# Altium PCB PCB_Napajanje_EUROBOT_2016_v2.0.PcbDoc
Units mil, origin at the board's own origin, x right, y up, seen from the top; angles counter-clockwise.
Board outline 5925 x 3950 mil, 2 copper layers (Top Layer, Bottom Layer); 79 components, 34 nets, 236 pads, 14 vias.
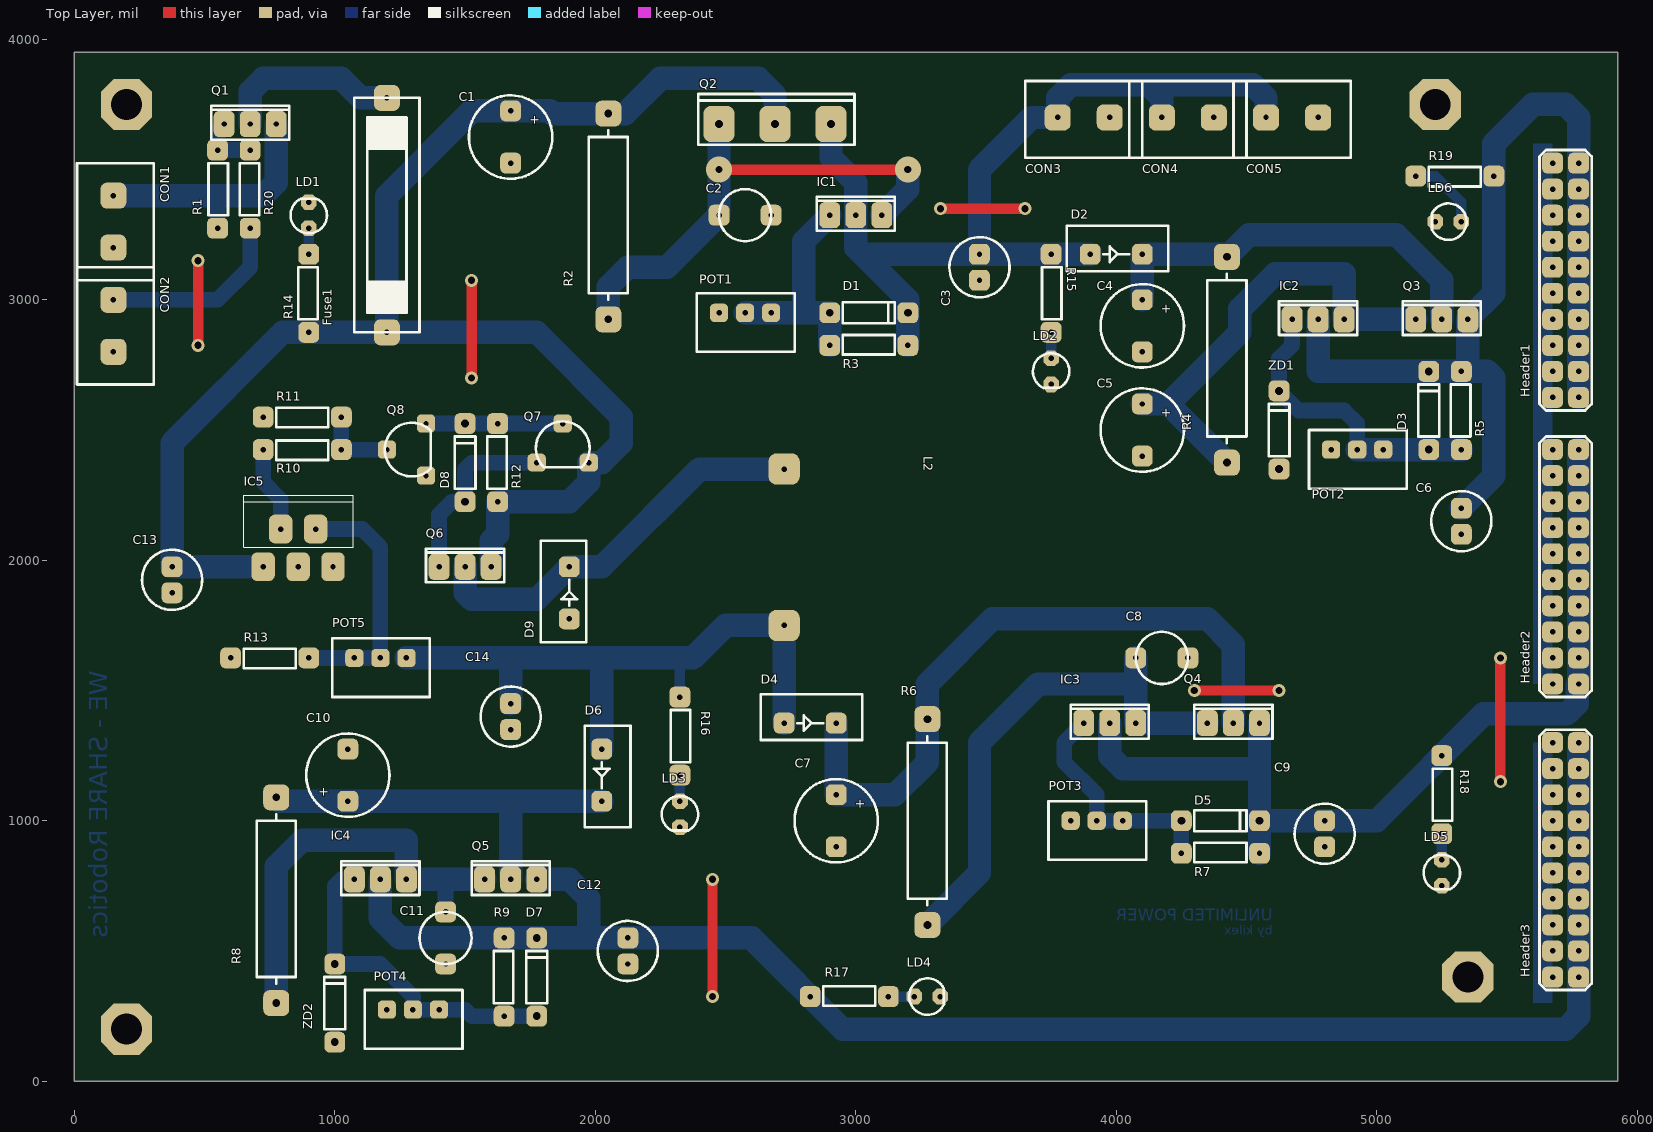
[diagram p0: Top Layer view]
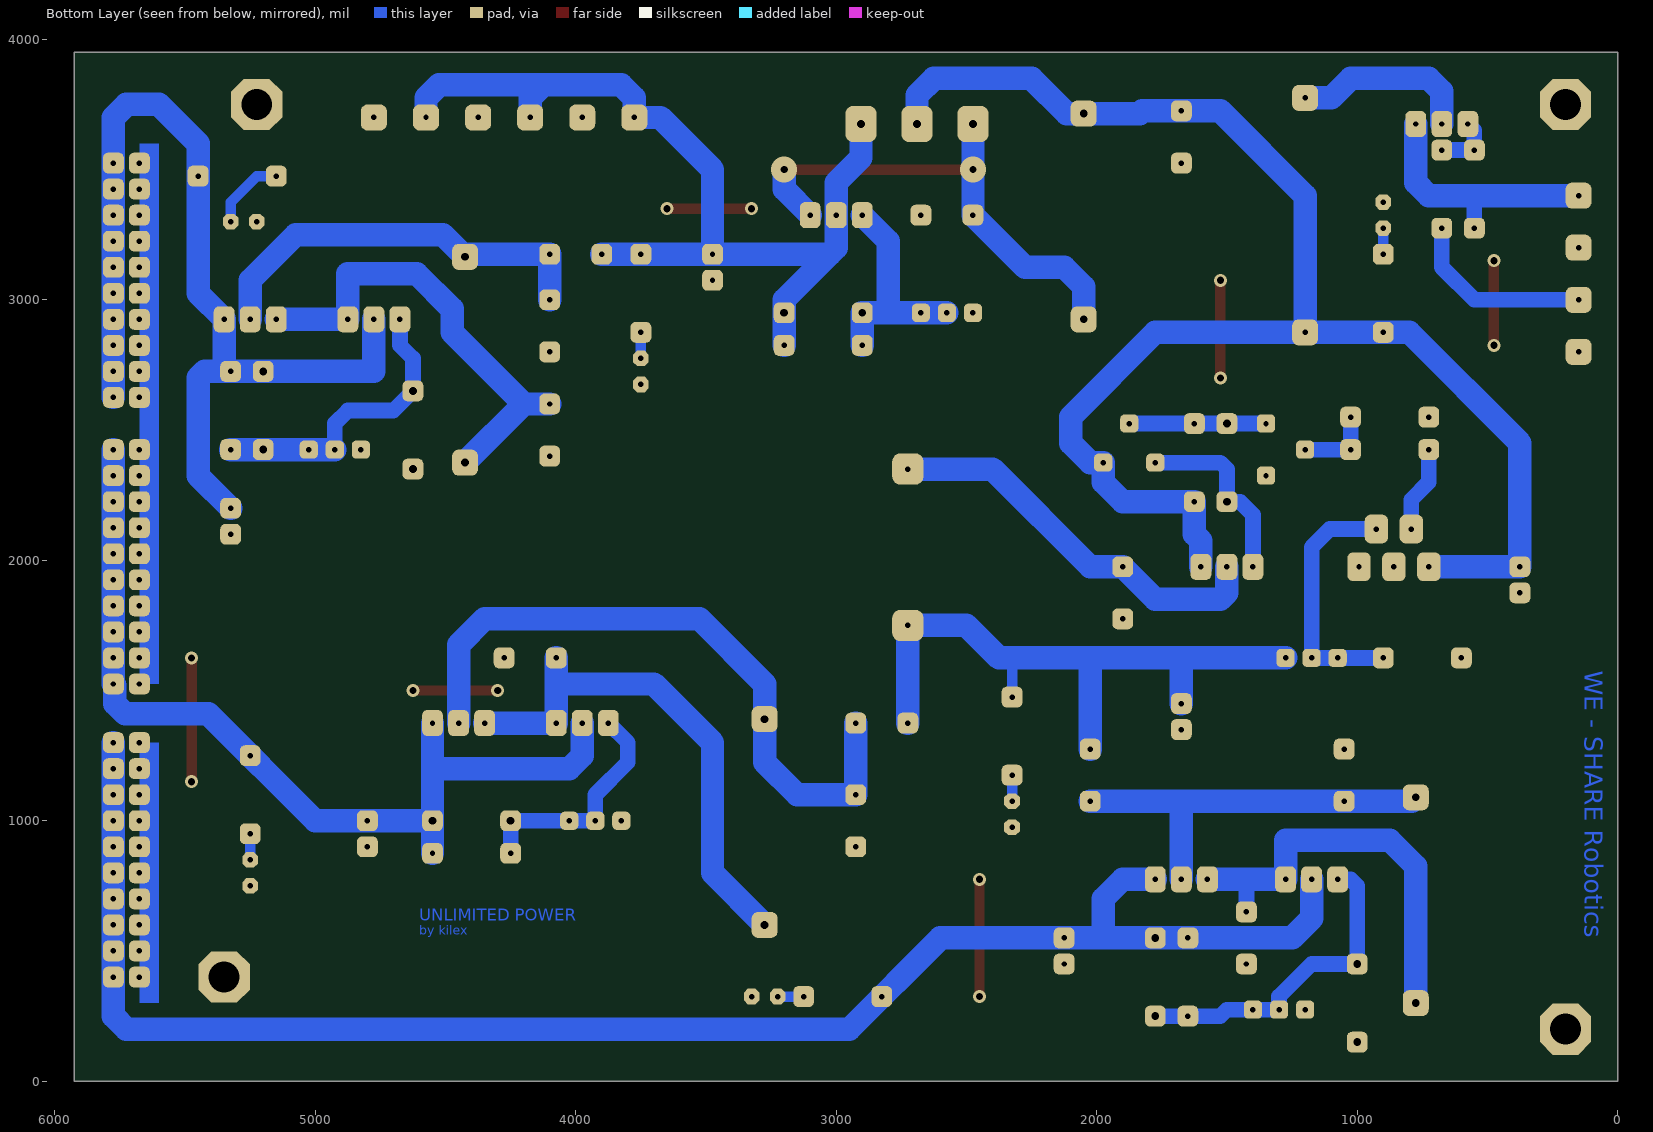
[diagram p1: Bottom Layer view, seen from below]
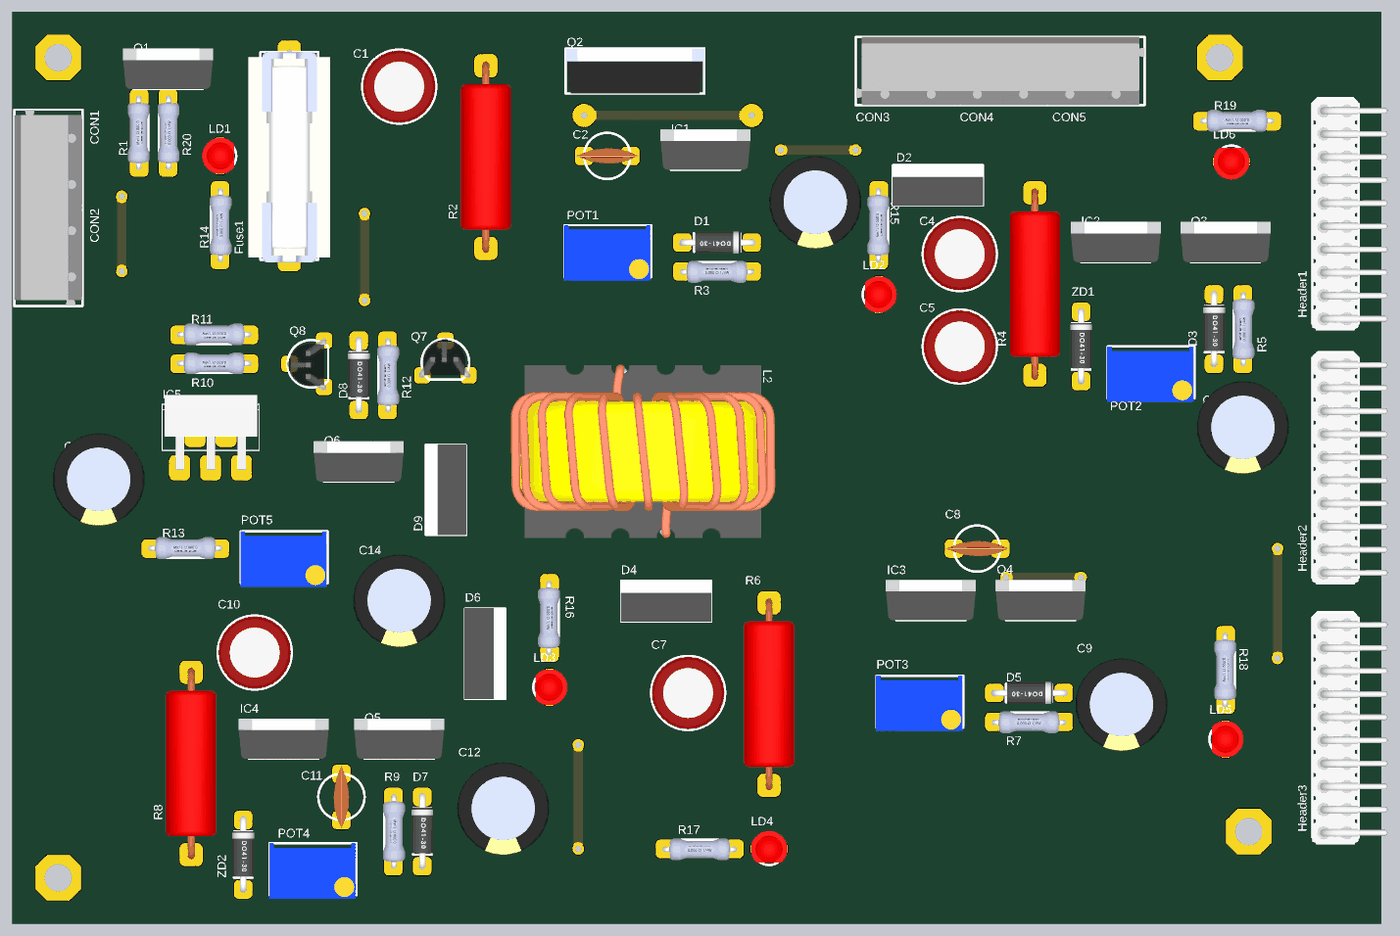
[diagram p2: 3D render of the assembled board from above, using the file's embedded part models]

## Layer stack, top to bottom
Top Solder: solder mask 0.4, Solder Resist, Dk 3.5
Top Layer: signal copper 1.4
Dielectric 1: dielectric 12.6, FR-4, Dk 4.8
Bottom Layer: signal copper 1.4
Bottom Solder: solder mask 0.4, Solder Resist, Dk 3.5

## Board outline
0,0 5925,0 5925,3950 0,3950

## Design rules (kind name [scope] priority, off if disabled: settings)
Clearance [All] p1: gap=20
PlaneClearance [All] p1: clearance=30
PlaneConnect [All] p1: planeconnectstyle=Relief reliefexpansion=30 reliefentries=4 reliefconductorwidth=30 reliefairgap=10
PolygonConnect [All] p1: connectstyle=Relief reliefconductorwidth=30 reliefentries=4 polygonreliefangle="90 Angle" airgapwidth=20
RoutingVias [All] p1: holewidth=28 width=50 viastyle="Through Hole" minholewidth=28 minwidth=50 maxholewidth=28 maxwidth=50
SolderMaskExpansion [All] p1: expansion=4
Width [All] p1: maxlimit=90 minlimit=40 preferedwidth=60 minimp=50.000000 maximp=50.000000 favimp=50.000000
28 further rules are at their usual default settings.

## Components (designator, comment, footprint, x,y, rotation, side; value= is the part's Value field where it differs from the comment)
C1 "1000uF" C2(elektrolit) 1675,3725 r270 top
C2 "1uF" C1(ceramic) 2475,3325 r0 top
C3 "10uF" C3 3475,3175 r270 top
C4 "1000uF" C2(elektrolit) 4100,3000 r270 top
C5 "1uF" C2(elektrolit) 4100,2600 r270 top
C6 "10uF" C3 5325,2200 r270 top
C7 "1000uF" C2(elektrolit) 2925,1100 r270 top
C8 "1uF" C1(ceramic) 4075,1625 r0 top
C9 "10uF" C3 4800,1000 r270 top
C10 "1000uF" C2(elektrolit) 1050,1075 r90 top
C11 "1uF" C1(ceramic) 1425,650 r270 top
C12 "10uF" C3 2125,550 r270 top
C13 "100uF" C3 375,1975 r270 top
C14 "100uF" C3 1675,1450 r270 top
CON1 "Klema" Klema 150,3200 r90 top
CON2 "Klema" Klema 150,2800 r90 top
CON3 "Klema" Klema 3775,3700 r0 top
CON4 "Klema" Klema 4175,3700 r0 top
CON5 "Klema" Klema 4575,3700 r0 top
D1 "1n4007" D1(300milsa) 2900,2950 r0 top
D2 "MBR1045" D2(TO220) 3900,3175 r0 top
D3 "1n4007" D1(300milsa) 5200,2425 r90 top
D4 "MBR1045" D2(TO220) 2725,1375 r0 top
D5 "1n4007" D1(300milsa) 4250,1000 r0 top
D6 "MBR1045" D2(TO220) 2025,1275 r270 top
D7 "1n4007" D1(300milsa) 1775,250 r90 top
D8 "1n4148" D1(300milsa) 1500,2225 r90 top
D9 "MBR1045" D2(TO220) 1900,1775 r90 top
Fuse1 "FUSE" Osigurac 1200,3775 r270 top
Header1 "Header2x10" HEADER2x10 5775,2625 r90 top
Header2 "Header2x10" HEADER2x10 5775,1525 r90 top
Header3 "Header2x10" HEADER2x10 5775,400 r90 top
IC1 "LM317" TO220 2900,3325 r0 top
IC2 "LM317" TO220 4675,2925 r0 top
IC3 "LM317" TO220 3875,1375 r0 top
IC4 "LM317" TO220 1075,775 r0 top
IC5 "LM2576" LM2576 725,1975 r0 top
L2 "100uH" Kalem 2725,2350 r270 top
LD1 "LED" LED(3mm) 900,3275 r90 top
LD2 "LED" LED(3mm) 3750,2775 r270 top
LD3 "LED" LED(3mm) 2325,1075 r270 top
LD4 "LED" LED(3mm) 3225,325 r0 top
LD5 "LED" LED(3mm) 5250,850 r270 top
LD6 "LED" LED(3mm) 5325,3300 r180 top
POT1 "5K" TRIM 2475,2950 r0 top
POT2 "5K" TRIM 4825,2425 r0 top
POT3 "1K" TRIM 3825,1000 r0 top
POT4 "5K" TRIM 1200,275 r0 top
POT5 "10K" TRIM 1075,1625 r0 top
Q1 "IRF4905" TO220 575,3675 r0 top
Q2 "BD250" TO218 2475,3675 r0 top
Q3 "BD912" TO220 5150,2925 r0 top
Q4 "BD912" TO220 4350,1375 r0 top
Q5 "BD912" TO220 1575,775 r0 top
Q6 "IRF4905" TO220 1400,1975 r0 top
Q7 "BC546" BC327 1775,2375 r0 top
Q8 "BC546" BC327 1350,2325 r90 top
R1 "10K" R1(300milsa) 550,3575 r270 top
R2 "8 2W" R1(2W) 2050,2925 r90 top
R3 "220" R1(300milsa) 2900,2825 r0 top
R4 "8 2W" R1(2W) 4425,2375 r90 top
R5 "220" R1(300milsa) 5325,2425 r90 top
R6 "8 2W" R1(2W) 3275,600 r90 top
R7 "220" R1(300milsa) 4250,875 r0 top
R8 "8 2W" R1(2W) 775,300 r90 top
R9 "220" R1(300milsa) 1650,250 r90 top
R10 "1K" R1(300milsa) 1025,2425 r180 top
R11 "1K" R1(300milsa) 1025,2550 r180 top
R12 "1K" R1(300milsa) 1625,2225 r90 top
R13 "1K2" R1(300milsa) 900,1625 r180 top
R14 "1K" R1(300milsa) 900,2875 r90 top
R15 "820" R1(300milsa) 3750,3175 r270 top
R16 "540" R1(300milsa) 2325,1475 r270 top
R17 "300" R1(300milsa) 2825,325 r0 top
R18 "220" R1(300milsa) 5250,1250 r270 top
R19 "470" R1(300milsa) 5450,3475 r180 top
R20 "1K" R1(300milsa) 675,3275 r90 top
ZD1 "1n5327 8.2V" D1(300milsa) 4625,2350 r90 top
ZD2 "1n5228 3v9" D1(300milsa) 1000,150 r90 top

## Footprints (in the part's own frame and the unit in brackets; to place one, negate y for a bottom-side part, rotate by r counter-clockwise, add the part's x,y. Pads: shape width x height; smd on the part's side, far side on the other; paste and mask are expansions set on the pad)
BC327 [mil]
  rrect50% 70x70 hole 21: 1(100,150) 2(200,0) 3(0,0)
  silkscreen extent -3,-18 203,158, body extent -15,-9 205,159, height 385
C1(ceramic) [mil]
  rrect50% 80x80 hole 21: 1(0,0) 2(200,0)
  silkscreen extent 0,-100 200,100, body extent -37,-33 238,33, height 258
C2(elektrolit) [mil]
  rrect50% 80x80 hole 21: 1(0,0) 2(200,0)
  silkscreen extent -60,-160 260,160, body extent -57,-157 257,157, height 522
C3 [mil]
  rrect50% 80x80 hole 21: 1(0,0) 2(100,0)
  silkscreen extent -65,-115 165,115, body extent -150,-199 250,199, height 800
D1(300milsa) [mil]
  rrect50% 80x80 hole 30: 1(0,0) 2(300,0)
  silkscreen extent 50,-40 250,40, body extent -10,-47 318,47, height 100
D2(TO220) [mil]
  rrect50% 80x80 hole 21: 1(0,0) 2(200,0)
  silkscreen extent -90,-65 300,110, body extent -92,-67 302,110, height 769
HEADER2x10 [mil]
  rrect50% 80x80 hole 21: 1(0,0) 2(0,100) 3(100,0) 4(100,100) 5(200,0) 6(200,100) 7(300,0) 8(300,100) 9(400,0) 10(400,100) 11(500,0) 12(500,100) 13(600,0) 14(600,100) 15(700,0) 16(700,100) 17(800,0) 18(800,100) 19(900,0) 20(900,100)
  silkscreen extent -50,-50 950,150, body extent -55,-176 945,150, height 294
Kalem [mil]
  rrect50% 120x120 hole 21: 1(0,0) 2(600,0)
  body extent -73,-567 680,577, height 1274
Klema [mil]
  rrect50% 100x100 hole 21: 1(0,0) 2(200,0)
  silkscreen extent -125,-155 325,140, body extent -122,-155 325,140, height 392
LED(3mm) [mil]
  oct 60x60 hole 21: 1(0,0) 2(100,0)
  silkscreen extent -20,-70 114,70, body extent -28,-60 128,77, height 212
LM2576 [mil]
  rrect50% 90x110 hole 21: 1(0,0) 2(67,145) 3(134,0) 4(201,145) 5(268,0)
  silkscreen extent -75,75 345,275, body extent -65,-10 335,315, height 850
Osigurac [mil]
  rrect50% 100x100 hole 21: 1(0,0) 2(900,0)
  silkscreen extent 0,-125 900,125, body extent 0,-177 912,177, height 492
R1(2W) [mil]
  rrect50% 100x100 hole 30: 1(0,0) 2(790,0)
  silkscreen extent 75,-75 725,75, body extent -21,-108 811,108, height 208
R1(300milsa) [mil]
  rrect50% 80x80 hole 21: 1(0,0) 2(300,0)
  silkscreen extent 50,-35 250,40, body extent -12,-49 312,45, height 95
TO218 [mil]
  rrect50% 120x140 hole 30: 1(0,0) 2(215,0) 3(430,0)
  silkscreen extent -80,-80 520,115, body extent -79,-80 519,113, height 960
TO220 [mil]
  rrect50% 80x100 hole 21: 1(0,0) 2(100,0) 3(200,0)
  silkscreen extent -50,-60 250,70, body extent -95,-61 295,114, height 746
TRIM [mil]
  rrect50% 70x70 hole 21: 1(0,0) 2(100,0) 3(200,0)
  silkscreen extent -85,-150 290,75, body extent -88,-165 288,75, height 465

## Part data
C1 C2 C3 C4 C5 C6 C7 C8 C9 C10 C11 C12 C13 C14: library part C2
D1 D3 D5 D7 D8: library part D1
D2 D4 D6 D9: library part "Sotki Diode"
IC1 IC2 IC3 IC4: library part LM317/LM350
L2: library part Coil
POT1 POT2 POT3 POT4 POT5: library part TRIM
Q1 Q6: library part "P-Channel MOSFET"
Q2 Q3 Q4 Q5: library part "Transistor PNP"
Q7 Q8: library part "Transistor NPN"
R1 R2 R3 R4 R5 R6 R7 R8 R9 R10 R11 R12 R13 R14 R15 R16 R17 R18 R19 R20: library part R1
ZD1 ZD2: library part ZD1

## Free pads (board coordinates)
  oct 196.85x196.85 hole 118.11: 0(200,200) 0(200,3750) 0(5225,3750) 0(5350,400)

## Via types
v1: diameter 50, hole 28, Top Layer to Bottom Layer, 12 vias
v2: diameter 100, hole 28, Top Layer to Bottom Layer, 2 vias

## Nets (pads, with @x,y where several pads share a name; then routed paths per layer and width w, separated by ;. In a path a pad name is that pad's centre, name@x,y a point inside that pad or via, vN(x,y) a via of type N, cw(c..) or ccw(c..) an arc to the next point about the centre after c; other vN are vias at no path point)
3V3: C9.1 D5.2 Header2.1 Header2.3 Header2.5 Header2.7 Header2.9 Header2.11 Header2.13 Header2.15 Header2.17 Header2.19 IC3.2 Q4.3 R7.2 R18.1 | length 3604.2
  Bottom Layer w90: IC3.2 3975,1250 4025,1200 4550,1200 ; R7.2 D5.2 ; Q4.3 4550,1200 ; Header2.19 Header2.17 Header2.15 Header2.13 Header2.11 Header2.9 Header2.7 Header2.5 Header2.3 Header2.1 5770,1520 5770,1450 5730,1410 5410,1410 5000,1000 C9.1 D5.2 ; D5.2 4550,1200
5-9V: C6.1 D3.2 Header1.1 Header1.3 Header1.5 Header1.7 Header1.9 Header1.11 Header1.13 Header1.15 Header1.17 Header1.19 IC2.2 Q3.3 R5.2 R19.1 | length 3836.4
  Bottom Layer w90: IC2.2 4775,2725 D3.2 R5.2 R5.2@5350,2725 ; C6.1 5450,2325 5450,2700 5425,2725 R5.2@5350,2725 ; Header1.1 Header1.3 Header1.5 Header1.7 Header1.9 Header1.11 Header1.13 Header1.15 Header1.17 Header1.19 5775,3700 5725,3750 5600,3750 5450,3600 5450,3025 Q3.3 R5.2@5350,2725
5V: C12.1 D7.2 Header3.1 Header3.3 Header3.5 Header3.7 Header3.9 Header3.11 Header3.13 Header3.15 Header3.17 Header3.19 IC4.2 Q5.3 R9.2 R17.1 | length 6377.8
  Bottom Layer w90: IC4.2 1175,625 1250,550 R9.2 D7.2 1975,550 ; Q5.3 1900,775 1975,700 1975,550 ; Header3.19 Header3.17 Header3.15 Header3.13 Header3.11 Header3.9 Header3.7 Header3.5 Header3.3 Header3.1 5775,250 5725,200 2950,200 2600,550 C12.1 1975,550
8V: C14.1 D4.1 D6.1 L2.2 POT5.3 R16.1 | length 2551.8
  Bottom Layer w40: R16.1 2325,1625
  Bottom Layer w90: POT5.3 1675,1625 ; C14.1 1675,1625 ; D6.1 2025,1625 ; D4.1 L2.2 2500,1750 2375,1625 2325,1625 2025,1625 ; 1675,1625 2025,1625
12V: C3.1 CON3.1 CON4.1 CON5.1 D1.2 D2.1 IC1.2 Q2.3 R3.2 R15.1 | length 3692.2
  Bottom Layer w90: Q2.3 2905,3545 3000,3450 IC1.2 3000,3200 3025,3175 ; R3.2 D1.2 3200,3000 3025,3175 ; D2.1 C3.1 ; CON4.1 4175,3775 4125,3825 ; CON5.1 4575,3775 4525,3825 4125,3825 ; 3025,3175 C3.1 ; C3.1 3475,3500 3675,3700 CON3.1 3775,3775 3825,3825 4125,3825
15V: C1.1 C13.1 Fuse1.2 IC5.1 Q2.2 Q6.3 Q7.2 R2.2 R12.1 R14.1 | length 6179.8
  Bottom Layer w90: IC5.1 C13.1 375,2450 800,2875 R14.1 Fuse1.2 ; Q6.3 1600,2075 1625,2100 R12.1 1900,2225 1975,2300 Q7.2 2025,2375 2100,2450 2100,2550 1775,2875 Fuse1.2 ; Q2.2 2690,3785 2625,3850 2250,3850 2115,3715 R2.2 1835,3715 1825,3725 C1.1 1525,3725 1200,3400 Fuse1.2
GND: C1.2 C2.2 C3.2 C4.2 C5.2 C6.2 C7.2 C8.2 C9.2 C10.2 C11.2 C12.2 C13.2 C14.2 CON1.1 CON2.1 CON3.2 CON4.2 CON5.2 D9.1 Header1.2 Header1.4 Header1.6 Header1.8 Header1.10 Header1.12 Header1.14 Header1.16 Header1.18 Header1.20 Header2.2 Header2.4 Header2.6 Header2.8 Header2.10 Header2.12 Header2.14 Header2.16 Header2.18 Header2.20 Header3.2 Header3.4 Header3.6 Header3.8 Header3.10 Header3.12 Header3.14 Header3.16 Header3.18 Header3.20 IC5.3 IC5.5 LD1.2 LD2.2 LD3.2 LD4.2 LD5.2 LD6.2 POT1.1 POT2.1 POT3.1 POT4.1 Q8.3 R11.2 R13.2 ZD1.1 ZD2.1 | length 2275
  Top Layer w40: v1(475,2825) v1(475,3150) ; v1(1525,2700) v1(1525,3075) ; v1(2450,325) v1(2450,775) ; v1(3325,3350) v1(3650,3350) ; v1(4300,1500) v1(4625,1500) ; v1(5475,1150) v1(5475,1625)
NetC2_1: C2.1 IC1.3 Q2.1 R2.1 | length 1955.3
  Top Layer w40: v2(2475,3500) v2(3200,3500)
  Bottom Layer w90: R2.1 2050,3050 2125,3125 2275,3125 C2.1 v2(2475,3500) Q2.1 ; IC1.3 3200,3425 v2(3200,3500)
NetC4_1: C4.1 D2.2 Q3.2 R4.2 | length 1586.8
  Bottom Layer w90: C4.1 D2.2 4415,3175 R4.2 4510,3250 5075,3250 5250,3075 Q3.2
NetC5_1: C5.1 IC2.3 Q3.1 R4.1 | length 1803
  Bottom Layer w90: C5.1 4200,2600 ; R4.1 4200,2600 ; Q3.1 IC2.3 4875,3100 4610,3100 4475,2965 4475,2875 4200,2600
NetC7_1: C7.1 D4.2 Q4.2 R6.2 | length 2596.8
  Bottom Layer w90: D4.2 C7.1 3150,1100 3275,1225 R6.2 3275,1525 3525,1775 4350,1775 4450,1675 Q4.2
NetC8_1: C8.1 IC3.3 Q4.1 R6.1 | length 2001
  Bottom Layer w90: R6.1 3475,800 3475,1300 3700,1525 4075,1525 ; C8.1 4075,1525 ; Q4.1 IC3.3 4075,1525
NetC10_1: C10.1 D6.2 Q5.2 R8.2 | length 1556.2
  Bottom Layer w90: R8.2 790,1075 D6.2 ; Q5.2 1675,1075
NetC11_1: C11.1 IC4.3 Q5.1 R8.1 | length 1641.4
  Bottom Layer w60: C11.1 1425,775
  Bottom Layer w90: R8.1 775,825 875,925 1275,925 IC4.3 1425,775 Q5.1
NetCON1_2: CON1.2 Q1.3 R1.2 | length 995.7
  Bottom Layer w60: R1.2 550,3400
  Bottom Layer w90: CON1.2 550,3400 725,3400 775,3450 Q1.3
NetCON2_2: CON2.2 R20.1 | length 726.8
  Bottom Layer w60: CON2.2 550,3000 675,3125 R20.1
NetD1_1: D1.1 IC1.1 POT1.2 POT1.3 R3.1 | length 866.4
  Bottom Layer w90: POT1.2 POT1.3 2800,2950 ; R3.1 D1.1 2800,2950 ; IC1.1 2800,3225 2800,2950
NetD3_1: D3.1 IC2.1 POT2.2 POT2.3 R5.1 ZD1.2 | length 1147.5
  Bottom Layer w60: IC2.1 4675,2825 4625,2775 ZD1.2 4700,2575 4875,2575 4925,2525 POT2.2
  Bottom Layer w90: POT2.2 POT2.3 D3.1 R5.1
NetD5_1: D5.1 IC3.1 POT3.2 POT3.3 R7.1 | length 907.8
  Bottom Layer w60: IC3.1 3800,1300 3800,1225 3925,1100 POT3.2 POT3.3 D5.1 R7.1
NetD7_1: D7.1 IC4.1 POT4.2 POT4.3 R9.1 ZD2.2 | length 1272.5
  Bottom Layer w60: IC4.1 1025,775 1000,750 ZD2.2 1175,450 1300,325 POT4.2 POT4.3 1500,275 1525,250 R9.1 D7.1
NetD8_1: D8.1 Q6.1 Q7.3 | length 731.1
  Bottom Layer w60: Q6.1 1400,2175 1450,2225 D8.1 1500,2350 1525,2375 Q7.3
NetD8_2: D8.2 Q7.1 Q8.2 R12.2 | length 525
  Bottom Layer w60: Q8.2 D8.2 R12.2 Q7.1
NetD9_2: D9.2 L2.1 Q6.2 | length 1542.5
  Bottom Layer w90: Q6.2 1500,1875 1525,1850 1775,1850 D9.2 2025,1975 2400,2350 L2.1
NetFuse1_1: Fuse1.1 Q1.2 | length 701.8
  Bottom Layer w90: Q1.2 675,3800 725,3850 1025,3850 1100,3775 Fuse1.1
NetIC5_2: IC5.2 R10.2 | length 332.8
  Bottom Layer w60: R10.2 725,2300 792,2233 IC5.2
NetIC5_4: IC5.4 POT5.1 POT5.2 R13.1 | length 978
  Bottom Layer w60: R13.1 POT5.1 POT5.2 1175,2050 1105,2120 IC5.4
NetLD1_1: LD1.1 R14.2 | length 100
  Bottom Layer w40: R14.2 LD1.1
NetLD2_1: LD2.1 R15.2 | length 100
  Bottom Layer w40: LD2.1 R15.2
NetLD3_1: LD3.1 R16.2 | length 100
  Bottom Layer w40: LD3.1 R16.2
NetLD4_1: LD4.1 R17.2 | length 100
  Bottom Layer w40: R17.2 LD4.1
NetLD5_1: LD5.1 R18.2 | length 100
  Bottom Layer w40: LD5.1 R18.2
NetLD6_1: LD6.1 R19.2 | length 291.4
  Bottom Layer w40: R19.2 5225,3475 5325,3375 LD6.1
NetQ1_1: Q1.1 R1.1 R20.2 | length 235.4
  Bottom Layer w60: Q1.1 550,3650 R1.1 R20.2
NetQ8_1: Q8.1 R10.1 R11.1 | length 300
  Bottom Layer w60: R11.1 R10.1 Q8.1

## Other copper
Bottom Layer:
  rectangle net GND: 5600,2525 5675,3600
  rectangle net GND: 5600,1525 5675,2525
  rectangle net GND: 5600,300 5675,1300
  text "WE - SHARE Robotics" at 150,1575 h120 r90
  text "UNLIMITED POWER" at 4600,600 h80
  text "by kilex" at 4600,550 h60

## Silkscreen, mask and mechanical layers (free items; w line width, h text height)
Mechanical 1:
  lines w10: 0,0 0,0 ; 0,0 0,3950 5925,3950 5925,0 0,0

## Text inside footprints (layer, text, board x,y; h text height)
C1: Top Overlay "+" at 1740,3710 h60 r270
C4: Top Overlay "+" at 4165,2985 h60 r270
C5: Top Overlay "+" at 4165,2585 h60 r270
C7: Top Overlay "+" at 2990,1085 h60 r270
C10: Top Overlay "+" at 985,1090 h60 r90